# KiCad board MRIRobot_PCB.kicad_pcb (continued)
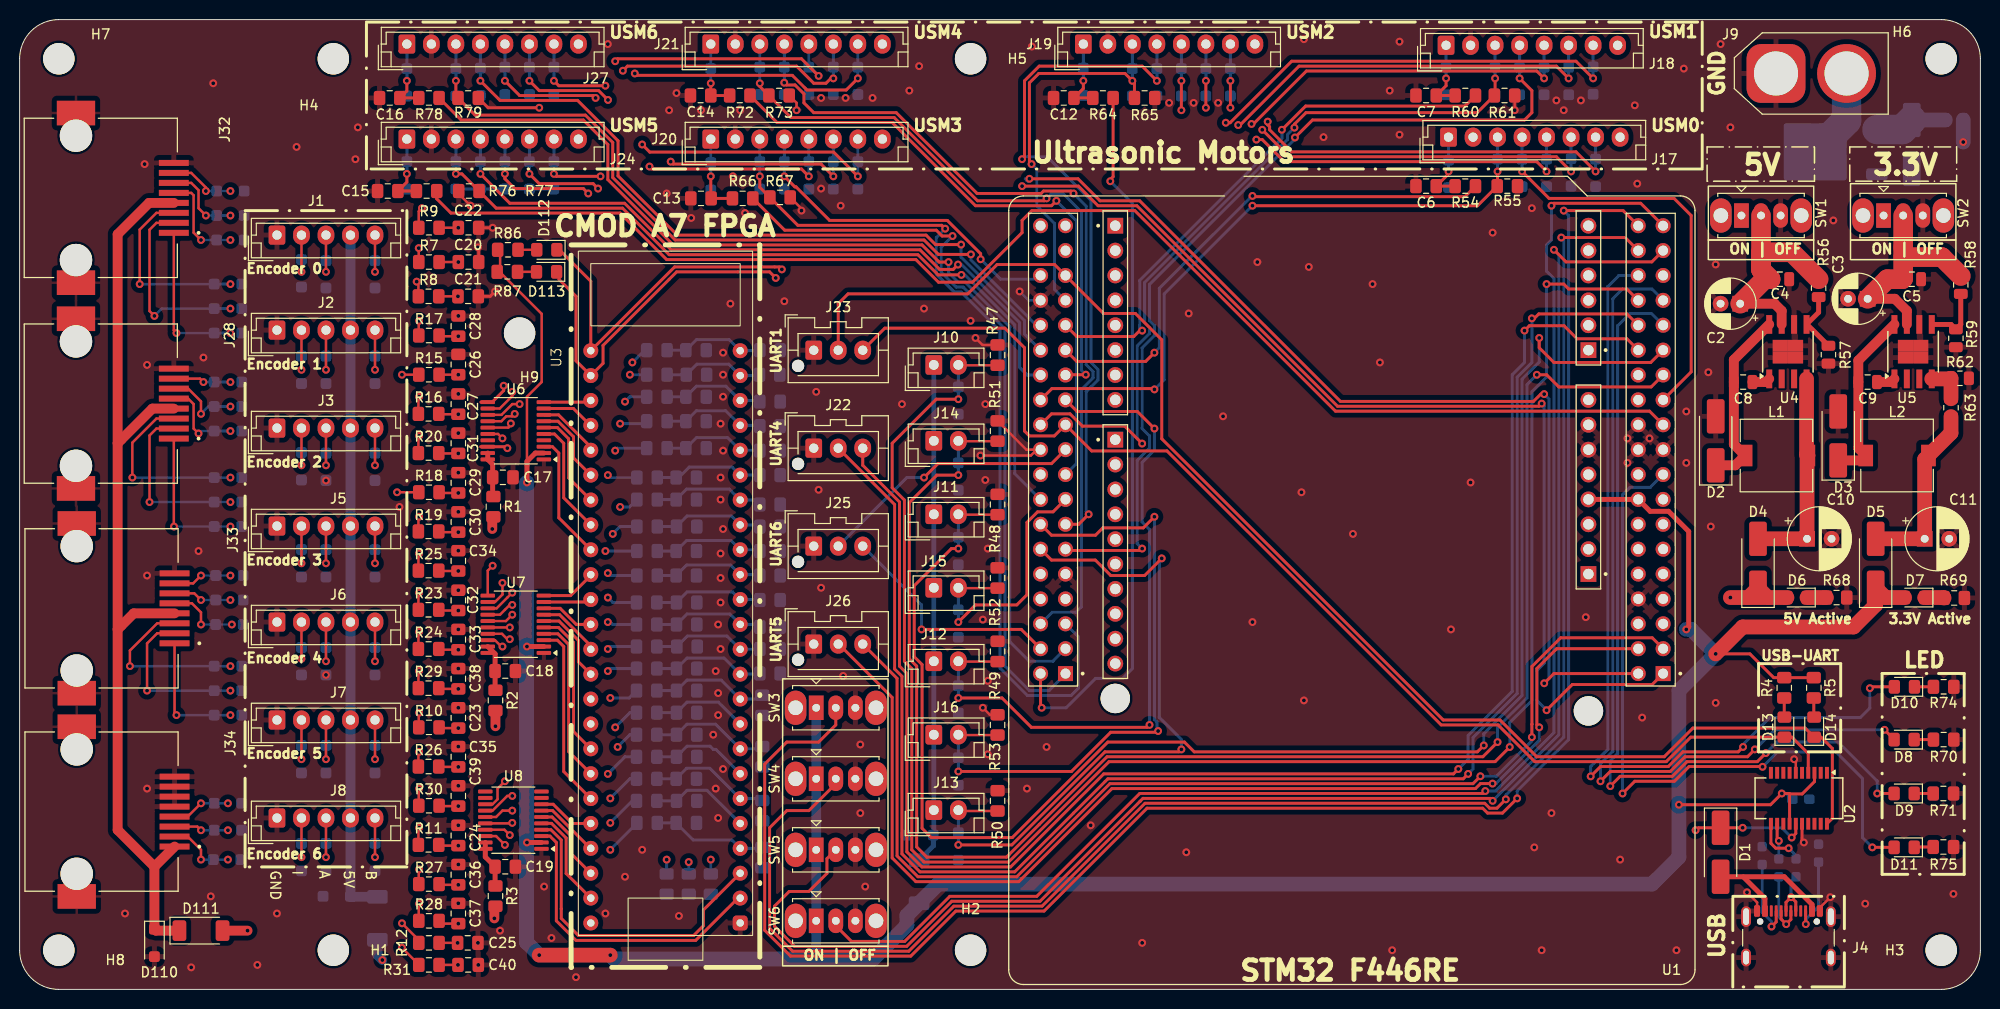
[diagram p0: board, top side]
## Routing (per net, layer and track width the routed paths; a pad name or vN(x,y) marks a point on that pad's centre or on a via; arc(x,y) is an arc through that point) (continued)
/A5_LP: length 15.3
  Top w0.25: v1(50.25,18.25) 49.25,18.25 48.6,17.6 U8.15 ; v1(44.75,10.68) 42.86,10.68 R27.2
  In1.Cu w0.25: v1(50.25,18.25) 49.5,18.25 47,15.75 47,12.93 v1(44.75,10.68)
/A5_shift: length 8.5
  Top w0.3: U3.22 56.25,13.87 56.25,15.66 54.31,17.6 U8.6
/A6: length 35.9
  Top w0.25: v1(31.25,13.5) J8.3 ; J34.3 18.13,16.62 v1(18.5,16.25) ; R28.1 40.71,8.71 v1(40.75,8.75)
  In1.Cu w0.25: v1(40.75,8.75) 35.14,8.75 31.25,12.64 v1(31.25,13.5)
  In1.Cu w0.3: v1(21.25,16.25) 23,14.5 30.25,14.5 v1(31.25,13.5)
  Bottom w0.25: v1(18.5,16.25) D107.1 v1(21.25,16.25) ; v1(31.25,13.5) D37.1
/A6_LP: length 16.9
  Top w0.25: v1(50,15.75) 49.45,16.3 U8.17 ; v1(44.75,6.71) 43.08,6.71 R28.2
  In1.Cu w0.25: v1(44.75,6.71) 44.75,6.75 45.47,7.47 45.47,9 47.5,11.02 47.5,14.75 48.5,15.75 v1(50,15.75)
/A6_shift: length 33
  Top w0.3: U8.4 54.2,16.3 55.25,15.25 55.25,8.22 55.25,8.22 55.25,7.25 57,5.5 68.75,5.5 69.75,6.5 69.75,8.11 U3.27
/B0: length 40.8
  Top w0.25: R7.1 v1(40.71,75.67) ; v1(36.25,73.25) J1.5 ; J32.6 17.51,82.33 18.25,81.58 18.25,79.75 v1(19,79)
  In1.Cu w0.25: v1(40.71,75.67) 40.29,75.25 38.25,75.25 v1(36.25,73.25)
  In1.Cu w0.3: v1(36.25,73.25) 35.5,74 30.75,74 29.16,72.41 24.34,72.41 20.75,76 20.75,78.25 v1(21.5,79)
  Bottom w0.25: v1(36.25,73.25) D17.1 ; 19.6,79 v1(19,79)
  Bottom w0.3: v1(21.5,79) D88.1
/B0_LP: length 21.2
  Top w0.25: v1(50.25,61) 50.25,60.58 48.97,59.3 U6.12 ; v1(44.75,74.25) R7.2
  In1.Cu w0.25: v1(50.25,61) 50.25,61.78 49.68,62.35 49.65,62.35 46.47,65.53 46.47,70.95 44.44,72.98 44.44,73.94 v1(44.75,74.25)
/B0_shift: length 5.5
  Top w0.3: U6.9 56.49,59.3 58.21,57.58 U3.4
/B1: length 42.8
  Top w0.25: v1(36.25,63.25) J2.5 ; J32.1 15.73,67.27 v1(16,67) ; v1(39,62.75) R15.1
  In1.Cu w0.25: v1(36.25,63.25) 38.5,63.25 v1(39,62.75)
  In1.Cu w0.3: v1(36.25,63.25) 35,62 26.5,62 v1(21.5,67)
  Bottom w0.25: v1(36.25,63.25) D25.1 ; 19.35,67 v1(16,67)
  Bottom w0.3: v1(21.5,67) D89.1
/B1_LP: length 12.1
  Top w0.25: v1(44.75,62.75) R15.2 ; v1(50.11,57.78) 50.11,57.61 49.85,57.35 U6.15
  In1.Cu w0.25: v1(50.11,57.78) 50.11,57.89 45.25,62.75 v1(44.75,62.75)
/B1_shift: length 10.2
  Top w0.3: U3.7 56,52.22 56,56.21 54.86,57.35 U6.6
/B2: length 37.3
  Top w0.25: v1(36.25,53.5) J3.5 ; v1(18.5,58.75) 18.5,60.02 17.19,61.33 J28.6 ; v1(38.5,50.75) R18.1
  In1.Cu w0.25: v1(38.5,50.75) 38.5,51.25 v1(36.25,53.5)
  In1.Cu w0.3: v1(36.25,53.5) 35.5,52.75 30.75,52.75 29.25,54.25 25.75,54.25 21.5,58.5 v1(21.5,59.5)
  Bottom w0.25: v1(18.5,58.75) 19.25,59.5 D94.1 ; v1(36.25,53.5) D28.1
  Bottom w0.3: v1(21.5,59.5) D94.1
/B2_LP: length 14.6
  Top w0.25: R18.2 42.86,50.67 v1(44.75,50.67) ; U7.11 47.75,42.75 v1(48.25,43.25)
  In1.Cu w0.25: v1(48.25,43.25) 48.25,45.25 47.25,46.25 47.25,49 45.58,50.67 v1(44.75,50.67)
/B2_shift: length 5.7
  Top w0.3: U3.10 58.26,42.26 56.2,40.2 U7.10
/B3: length 44.8
  Top w0.25: J28.1 15.73,47.27 v1(15.75,47.25) ; v1(36.25,43.5) J5.5 ; R23.1 40.67,40.42 v1(40.75,40.5)
  In1.Cu w0.25: v1(40.75,40.5) 37.75,43.5 v1(36.25,43.5)
  In1.Cu w0.3: v1(36.25,43.5) 35,42.25 26.5,42.25 v1(21.5,47.25)
  Bottom w0.25: v1(21.5,47.25) D95.1 v1(15.75,47.25) ; v1(36.25,43.5) D19.1
/B3_LP: length 10.7
  Top w0.25: R23.2 42.83,38.68 v1(44.75,38.68) ; v1(50.25,39.25) 50,39.25 49,38.25 U7.14
  In1.Cu w0.25: v1(50.25,39.25) 47.5,39.25 46.92,38.68 v1(44.75,38.68)
/B3_shift: length 6.5
  Top w0.3: U7.7 55.08,38.25 58.26,35.07 U3.13
/B4: length 42.2
  Top w0.25: R10.1 40.71,28.21 v1(40.75,28.25) ; v1(36.25,33.5) J6.5 ; J33.6 17.82,40.43 v1(18.5,39.75)
  In1.Cu w0.25: v1(36.25,33.5) 36.86,33.5 40.75,29.61 v1(40.75,28.25)
  In1.Cu w0.3: v1(36.25,33.5) 34.1,31.35 26.15,31.35 20.9,36.6 20.9,39.15 v1(21.5,39.75)
  Bottom w0.25: v1(21.5,39.75) D100.1 v1(18.5,39.75) ; v1(36.25,33.5) D31.1
/B4_LP: length 16.9
  Top w0.25: v1(50,35.75) 49.75,35.75 49.2,36.3 U7.17 ; R10.2 42.86,26.68 v1(44.75,26.68)
  In1.Cu w0.25: v1(50,35.75) 48,35.75 47.25,35 47.25,32.5 45.47,30.72 45.47,27.4 v1(44.75,26.68)
/B4_shift: length 17.1
  Top w0.3: U7.4 54.91,36.3 56,35.21 56,24.28 U3.18
/B5: length 46.6
  Top w0.25: v1(16,28) 15.8,28.19 J33.1 ; R11.1 40.67,16.43 v1(40.75,16.5) ; v1(36.25,23.5) J7.5
  In1.Cu w0.25: v1(40.75,16.5) 40.75,19 v1(36.25,23.5)
  In1.Cu w0.3: v1(21.5,28) 27.25,22.25 35,22.25 v1(36.25,23.5)
  Bottom w0.25: v1(21.5,28) D101.1 v1(16,28) ; v1(36.25,23.5) D34.1
/B5_LP: length 13
  Top w0.25: U8.14 48.24,18.25 49.74,19.75 v1(50.25,19.75) ; v1(44.75,14.68) 42.83,14.68 R11.2
  In1.Cu w0.25: v1(44.75,14.68) 49.83,19.75 v1(50.25,19.75)
/B5_shift: length 6.6
  Top w0.3: U8.7 54.37,18.25 58.22,14.4 U3.21
/B6: length 39.4
  Top w0.25: R12.1 40.71,5.04 v1(39,6.75) ; v1(18.5,19) 17.14,17.64 J34.4 ; v1(36.25,13.5) J8.5
  In1.Cu w0.3: v1(36.25,13.5) 36.25,13.75 34.5,15.5 24.75,15.5 v1(21.25,19)
  In2.Cu w0.25: v1(39,6.75) 39,7 36.25,9.75 v1(36.25,13.5)
  Bottom w0.25: v1(36.25,13.5) D22.1 ; v1(21.25,19) D106.1 v1(18.5,19)
/B6_LP: length 16.3
  Top w0.25: v1(49.5,14.75) 48.6,15.65 U8.18 ; v1(44.67,4.75) R12.2
  In1.Cu w0.25: v1(49.5,14.75) 49.5,12.39 45.92,8.81 45.92,5.93 44.75,4.75 v1(44.67,4.75)
/B6_shift: length 31.2
  Top w0.3: U8.3 54.1,15.65 54.75,15 54.75,7 56.75,5 68.96,5 73.28,9.32 U3.26
/Home0: length 183.7
  Top w0.25: R47.1 95.79,63.71 J10.2
  Top w0.3: v1(151.99,24.74) 150.5,23.25 111.12,23.25 100.87,13 92.25,13 91,14.25 91,32.75 90.25,33.5 90.25,49.96 89,51.21 89,55.75 93.5,60.25 v1(95.75,60.25) ; U1.CN7_32 163.94,71.5 158,71.5 157.5,72 v1(155.75,72) ; 100.21,63.75 100.25,63.71
  Bottom w0.3: v1(155.75,72) 155.75,62.5 154.25,61 154.25,29.5 151.99,27.24 v1(151.99,24.74) ; J10.2 D78.1 v1(95.75,60.25)
/Home1: length 166.8
  Top w0.25: R51.1 95.79,55.96 J14.2
  Top w0.3: v1(95.75,52.5) 93.56,52.5 90.75,49.69 90.75,33.75 91.5,33 91.5,14.54 92.54,13.5 100.66,13.5 110.91,23.75 149.25,23.75 v1(150.75,25.25) ; U1.CN7_25 166.42,61.5 157,61.5 155.76,62.74 v1(154.76,62.74) ; 100.21,56 100.25,55.96
  Bottom w0.3: v1(150.75,25.25) 150.75,26.75 153.75,29.75 153.75,61.73 v1(154.76,62.74) ; v1(95.75,52.5) D80.1 J14.2
/Home2: length 159.8
  Top w0.25: R48.1 95.79,48.46 J11.2
  Top w0.3: v1(95.75,45) 95.04,45 91.25,41.21 91.25,33.96 92.05,33.16 92.05,16.45 93,15.5 101.25,15.5 111,25.25 118.81,25.25 119.81,24.25 148.69,24.25 v1(149.34,24.91) ; v1(155,66.5) 155,65.5 156.5,64 166.38,64 U1.CN7_27
  Bottom w0.3: v1(149.34,24.91) 149.34,26.09 153.25,30 153.25,62.29 155,64.04 v1(155,66.5) ; v1(95.75,45) D82.1 J11.2
/Home3: length 28
  Top w0.25: J15.2 95.79,40.96 R52.1
  Top w0.3: v1(95.75,37.5) 97.5,39.25 101.71,39.25 102.75,40.29 102.75,47.67 103.83,48.75 105.41,48.75 U1.CN10_15 ; 100.21,41 100.25,40.96
  Bottom w0.3: v1(95.75,37.5) D79.1 J15.2
/Home4: length 70
  Top w0.25: J12.2 95.79,33.46 R49.1
  Top w0.3: U1.CN10_23 107.86,59 114,59 v1(115.75,57.25) ; v1(115.25,27) 115,26.75 103.21,26.75 100.21,29.75 v1(95.75,29.75)
  Bottom w0.3: v1(115.75,57.25) 115.75,55.04 114.5,53.79 114.5,47.71 115.25,46.96 v1(115.25,27) ; J12.2 D81.1 v1(95.75,29.75)
/Home5: length 64.7
  Top w0.25: J16.2 95.79,25.96 R53.1
  Top w0.3: v1(95.75,22.25) 107.29,22.25 111.29,26.25 116,26.25 v1(116.12,26.38) ; v1(115.75,48.25) 114.61,47.11 110.49,47.11 109.74,46.36 105.25,46.36 U1.CN10_14
  Bottom w0.3: v1(95.75,22.25) D83.1 J16.2 ; v1(115.75,48.25) 115.75,27.56 116,27.31 116,26.5 v1(116.12,26.38)
/Home6: length 69.2
  Top w0.25: J13.2 95.84,18.21 R50.1
  Top w0.3: 100.16,18.3 100.25,18.21 ; U1.CN10_12 105.25,43.83 109.73,43.83 111.3,42.25 114.75,42.25 v1(116.5,44) ; v1(95.75,14.75) 101.21,14.75 110.71,24.25 118.25,24.25 v1(118.5,24.5)
  Bottom w0.3: v1(95.75,14.75) D85.1 J13.2 ; v1(118.5,24.5) 118.5,25.52 116.25,27.77 116.25,43.75 v1(116.5,44)
/I0: length 40.5
  Top w0.25: v1(18.5,76.5) 17.75,77.25 17.75,81.06 17.51,81.31 J32.5 ; v1(28.75,73.25) J1.2 ; R9.1 40.71,79.42 v1(41.04,79.75)
  In1.Cu w0.25: v1(21.5,76.5) 21.5,75.92 24.17,73.25 v1(28.75,73.25) 30.25,74.75 36.04,74.75 v1(41.04,79.75)
  Bottom w0.25: v1(21.5,76.5) D92.1 ; 19.6,76.5 v1(18.5,76.5) ; v1(28.75,73.25) D24.1
/I0_LP: length 24
  Top w0.25: R9.2 v1(44.75,77.75) 44.79,77.75
  Top w0.3: v1(49.38,61.62) 49.38,61.12 48.2,59.95 U6.11 47.05,59.95
  In1.Cu w0.3: v1(49.38,61.62) 46,65 46,70.75 43.96,72.79 43.96,76.96 v1(44.75,77.75)
/I0_shift: length 4.9
  Top w0.3: U6.10 58.09,59.95 U3.3
/I1: length 53.8
  Top w0.25: v1(40.75,68.25) 40.71,68.21 R17.1 ; v1(12.25,72) 12.25,77.56 13.95,79.27 J32.3 ; v1(28.75,63.25) J2.2
  In1.Cu w0.25: v1(28.75,63.25) 30.5,65 39.75,65 40.75,66 v1(40.75,68.25)
  In1.Cu w0.3: v1(28.75,63.25) 26.66,63.25 22.75,67.16 22.75,70.75 v1(21.5,72)
  Bottom w0.25: 19.35,72 v1(12.25,72) ; v1(28.75,63.25) D27.1
  Bottom w0.3: v1(21.5,72) D93.1
/I1_LP: length 15.5
  Top w0.25: R17.2 42.86,66.67 v1(44.75,66.67) ; U6.14 49.14,58 49.64,58.5 50.25,58.5 v1(50.5,58.75)
  In1.Cu w0.25: v1(44.75,66.67) 44.75,64.25 50.25,58.75 v1(50.5,58.75)
/I1_shift: length 8.3
  Top w0.3: U3.6 56.5,54.26 56.5,56.41 54.91,58 U6.7
/I2: length 37.6
  Top w0.25: v1(40.75,56.5) 40.67,56.42 R20.1 ; v1(28.75,53.5) J3.2 ; v1(18.25,56.75) 17.75,57.25 17.75,59.75 17.19,60.31 J28.5
  In1.Cu w0.3: v1(28.75,53.5) 25,53.5 v1(21.5,57)
  In2.Cu w0.25: v1(40.75,56.5) 38.75,54.5 29.75,54.5 v1(28.75,53.5)
  Bottom w0.25: v1(18.25,56.75) 18.5,57 D98.1 ; v1(28.75,53.5) D30.1
  Bottom w0.3: v1(21.5,57) D98.1
/I2_LP: length 10
  Top w0.25: v1(44.75,54.71) 42.79,54.71 R20.2
  Top w0.3: v1(49.75,55.25) 49.6,55.4 U6.18 47.02,55.4
  In1.Cu w0.25: v1(44.75,54.71) 49.21,54.71 v1(49.75,55.25)
/I2_shift: length 13
  Top w0.3: U3.9 55,48.14 55,54.75 54.35,55.4 U6.3
/I3: length 52.1
  Top w0.25: v1(11.5,52.25) 11.5,55.81 13.95,58.27 J28.3 ; R25.1 40.67,44.42 v1(40.75,44.5) ; v1(28.75,43.5) J5.2
  In1.Cu w0.25: v1(28.75,43.5) 31,45.75 39.5,45.75 v1(40.75,44.5)
  In1.Cu w0.3: v1(28.75,43.5) 28.75,44.5 27.5,45.75 25.62,45.75 25.05,46.32 25.05,48.7 v1(21.5,52.25)
  Bottom w0.25: v1(28.75,43.5) D21.1 ; v1(21.5,52.25) D99.1 v1(11.5,52.25)
/I3_LP: length 11.6
  Top w0.25: v1(44.75,42.71) 42.79,42.71 R25.2 ; U7.13 48.65,38.9 v1(50.25,40.5)
  In1.Cu w0.25: v1(44.75,42.71) 46.54,42.71 48.75,40.5 v1(50.25,40.5)
/I3_shift: length 5.5
  Top w0.3: U3.12 56.78,37.26 55.14,38.9 U7.8
/I4: length 35.6
  Top w0.25: J33.5 17.58,39.41 18.5,38.49 v1(18.5,37.25) ; v1(40.75,32.5) 40.67,32.43 R29.1 ; v1(28.75,33.75) J6.2
  In1.Cu w0.25: v1(21.65,37.25) 23.65,37.25 27.15,33.75 v1(28.75,33.75)
  In2.Cu w0.25: v1(40.75,32.5) 39.03,34.22 29.23,34.22 v1(28.75,33.75)
  Bottom w0.25: v1(21.65,37.25) D104.1 v1(18.5,37.25) ; v1(28.75,33.75) D33.1
/I4_LP: length 14
  Top w0.25: U7.16 v1(50,36.95) ; v1(44.75,30.68) 42.83,30.68 R29.2
  In1.Cu w0.25: v1(50,36.95) 49.95,37 48,37 46.7,35.7 46.7,32.62 v1(44.75,30.68)
/I4_shift: length 15.2
  Top w0.3: U7.5 54.96,36.95 56.5,35.41 56.5,26.32 U3.17
/I5: length 51.1
  Top w0.25: v1(11.25,33) 11.25,34.59 14.03,37.37 J33.3 ; v1(40.75,20.5) 40.71,20.46 R30.1 ; v1(28.75,23.5) J7.2
  In1.Cu w0.3: v1(21.5,33) 25.05,29.45 25.05,26.52 25.57,26 26.75,26 28.75,24 v1(28.75,23.5)
  In2.Cu w0.25: v1(40.75,20.5) 40.25,20.5 38.25,22.5 29.75,22.5 v1(28.75,23.5)
  Bottom w0.25: v1(28.75,23.5) D36.1 ; v1(21.5,33) D105.1 v1(11.25,33)
/I5_LP: length 11.4
  Top w0.25: v1(49.5,21.25) 48.75,20.5 48.75,19.41 48.24,18.9 U8.13 ; v1(44.75,18.71) 42.83,18.71 R30.2
  In1.Cu w0.25: v1(49.5,21.25) 46.96,18.71 v1(44.75,18.71)
/I5_shift: length 5.8
  Top w0.3: U3.20 56.38,16.94 54.42,18.9 U8.8
/I6: length 37.1
  Top w0.25: v1(39,4.25) 40.71,2.54 R31.1 ; J34.2 17.15,15.6 18.5,14.25 v1(18.5,13.25) ; v1(28.75,13.5) J8.2
  In1.Cu w0.25: v1(39,4.25) 39,5.25 36,8.25 35,8.25 29.75,13.5 v1(28.75,13.5)
  In1.Cu w0.3: v1(21.25,13.25) 28.5,13.25 v1(28.75,13.5)
  Bottom w0.25: v1(21.25,13.25) D108.1 v1(18.5,13.25) ; v1(28.75,13.5) D38.1
/I6_LP: length 21.9
  Top w0.25: v1(50.25,17) 50.2,16.95 U8.16 ; v1(44.71,2.5) R31.2
  In1.Cu w0.25: v1(50.25,17) 50.72,16.53 50.72,12.97 46.38,8.62 46.38,5.4 45.46,4.49 45.46,3.25 v1(44.71,2.5)
/I6_shift: length 10.3
  Top w0.3: U3.23 55.75,11.83 55.75,15.46 54.25,16.95 U8.5
/LED0: length 88.4
  Top w0.3: D8.2 191.2,25.53 v1(190.22,26.5) ; v1(176.99,24.5) 176.24,23.75 169.87,23.75 168.37,22.25 162.25,22.25 v1(161.25,21.25)
  Bottom w0.3: U1.CN7_31 166.48,71.5 163.5,71.5 162.5,70.5 162.5,24.29 161.25,23.04 v1(161.25,21.25) ; v1(176.99,24.5) 177,24.5 179,26.5 v1(190.22,26.5)
/LED1: length 86.7
  Top w0.3: v1(162.25,20.75) 163.25,21.75 168.58,21.75 170.08,23.25 177.24,23.25 v1(178.12,24.12) ; D9.2 v1(189.47,20)
  Bottom w0.3: v1(178.12,24.12) 179.24,25.25 185.5,25.25 189.47,21.28 v1(189.47,20) ; v1(162.25,20.75) 162.25,23.34 163,24.09 163,67.75 164.25,69 166.44,69 U1.CN7_29
/LED2: length 90.8
  Top w0.3: v1(188.72,30.75) 188.86,30.89 D10.2 191.22,31.25 ; v1(175.79,24.75) 175.29,24.25 169.66,24.25 168.16,22.75 161.25,22.75 v1(160.25,21.75)
  Bottom w0.3: v1(160.25,21.75) 160.25,22.75 162,24.5 162,71.75 163.13,72.88 U1.CN7_34 ; v1(188.72,30.75) 188.72,28.72 187.75,27.75 178.52,27.75 175.79,25.02 v1(175.79,24.75)
/LED3: length 72.5
  Top w0.3: v1(163.5,20) 164.75,21.25 168.79,21.25 170.29,22.75 177.75,22.75 v1(177.78,22.72) ; D11.2 v1(188.97,14.5)
  Bottom w0.3: v1(177.78,22.72) 179.3,24.25 185.25,24.25 187.97,21.53 187.97,15.5 v1(188.97,14.5) ; U1.CN7_17 166.33,51.25 164.25,51.25 163.5,50.5 v1(163.5,20)
/SW0: length 183.2
  Top w0.3: U1.CN7_38 163.56,79.5 v1(157.5,79.5) ; SW3.2 83.25,27 81.5,25.25 78.25,25.25 76,23 76,6.04 78.64,3.4 90.9,3.4 95.5,8 104.5,8 115,18.5 149.23,18.5 149.73,18 151.25,18 v1(152.75,19.5)
  Bottom w0.3: v1(157.5,79.5) 158,79 158,25.5 152.75,20.25 v1(152.75,19.5)
/SW1: length 170.6
  Top w0.3: v1(157.25,76.75) 163.77,76.75 U1.CN7_36 ; SW4.2 83.25,21 80.5,18.25 78.25,18.25 76.5,16.5 76.5,6.24 78.84,3.9 90.69,3.9 95.29,8.5 104.29,8.5 114.79,19 149.44,19 149.94,18.5 150.69,18.5 v1(151.59,19.41)
  Bottom w0.3: v1(157.25,76.75) 157.5,76.5 157.5,25.75 151.59,19.84 v1(151.59,19.41)
/SW2: length 163.4
  Top w0.3: SW5.2 82.35,13.35 82.35,11.85 80.5,10 78.5,10 77,8.5 77,6.45 79.05,4.4 90.49,4.4 95.09,9 104.09,9 114.59,19.5 150,19.5 v1(150.25,19.25) ; U1.CN7_35 166.49,74.27 157.73,74.27 v1(156.5,75.5)
  Bottom w0.3: v1(156.5,75.5) 157,75 157,26 v1(150.25,19.25)
/SW3: length 150.7
  Top w0.3: v1(156.25,80) 156.5,80.25 165.35,80.25 U1.CN7_37 ; v1(149.5,20.25) 149.25,20 114.25,20 103.75,9.5 94.88,9.5 90.28,4.9 84.85,4.9 83.25,6.5 SW6.2 83.25,6.3
  Bottom w0.3: v1(156.25,80) 156.25,76.5 155.75,76 155.75,73.31 156.5,72.56 156.5,26.21 150.54,20.25 v1(149.5,20.25)
/U_Ana0: length 7.4
  Top w0.3: R54.2 C6.1 145.75,83.25 v1(145.75,83.5)
  Bottom w0.3: J17.1 D15.1 v1(145.75,83.5)
/U_Ana1: length 7.5
  Top w0.3: v1(145.5,93) 145.5,92.25 C7.1 R60.2
  Bottom w0.3: J18.1 D42.1 v1(145.5,93)
/U_Ana2: length 7.8
  Top w0.3: R64.2 C12.1 108.5,91.96 v1(108.5,92.75)
  Bottom w0.3: J19.1 D48.1 v1(108.5,92.75)
/U_Ana3: length 8.2
  Top w0.3: v1(70.5,83) 70.5,80.79 C13.1 R66.2
  Bottom w0.3: v1(70.5,83) D54.1 J20.1
/U_Ana4: length 7.2
  Top w0.3: v1(70.5,92.5) C14.1 72.42,91.25
  Bottom w0.3: v1(70.5,92.5) D60.1 J21.1
/U_Ana5: length 7.6
  Top w0.3: R76.2 C15.1 39.5,82.42 v1(39.5,83.25)
  Bottom w0.3: v1(39.5,83.25) D66.1 J24.1
/U_Ana6: length 8.7
  Top w0.3: 38.79,95.79 J27.1 ; v1(39.5,92.75) 39.5,91.71 C16.1 R78.2
  Bottom w0.3: v1(39.5,92.75) D72.1 J27.1
/U_Dir0: length 42.6
  Top w0.3: U1.CN7_23 170.5,63.04 170.5,79 168.75,80.75 156,80.75 v1(153.25,83.5)
  Bottom w0.3: v1(153.25,83.5) D18.1 J17.4
/U_Dir1: length 90.4
  Top w0.3: v1(130.09,86.96) 131.87,88.75 153.5,88.75 154.25,89.5 154.25,91.75 v1(153,93) ; v1(114.5,45) 114.31,44.81 106.81,44.81 U1.CN10_11
  Bottom w0.3: v1(114.5,45) 114,45.5 114,54 115.25,55.25 115.25,56.5 114.5,57.25 114.5,65.48 115.75,66.73 115.75,67.77 115.25,68.27 115.25,71.96 130.09,86.8 v1(130.09,86.96) ; J18.4 D46.1 v1(153,93)
/U_Dir2: length 71.3
  Top w0.3: U1.CN10_13 108.03,47.48 v1(109.04,48.5) ; v1(102.25,84.75) 102.5,85 102.5,92.75 104,94.25 114.5,94.25 v1(116,92.75)
  Bottom w0.3: v1(102.25,84.75) 102.5,85 104.81,85 109.29,80.52 109.29,63.97 110,63.27 110,62.23 108.79,61.03 108.79,48.75 v1(109.04,48.5) ; v1(116,92.75) D52.1 J19.4
/U_Dir3: length 34.8
  Top w0.3: v1(98.03,74.54) 98.03,75.1 94.62,78.5 82.62,78.5 79.19,81.92 79.08,81.92 v1(78,83)
  Bottom w0.3: J20.4 D58.1 v1(78,83) ; U1.CN10_34 103.76,72.5 100.06,72.5 v1(98.03,74.54)
/U_Dir4: length 87.3
  Top w0.3: v1(77.99,92.56) 78.23,92.33 79.09,92.33 80,91.42 80,90.5 81,89.5 89.41,89.5 97.66,81.25 104.19,81.25 104.44,81.5 107.25,81.5 v1(107.5,81.25)
  Bottom w0.3: U1.CN10_6 105.32,38.5 107.75,38.5 108.29,39.05 108.29,61.23 109.5,62.44 109.5,63.06 108.79,63.77 108.79,79.95 v1(107.5,81.25) ; J21.4 D64.1 78,92.56 v1(77.99,92.56)
/U_Dir5: length 72.3
  Top w0.3: v1(47,83.25) 50,80.25 61.71,80.25 66.46,75.5 91.84,75.5 93.84,73.5 95.22,73.5 v1(95.72,73.99)
  Bottom w0.3: v1(95.72,73.99) 96.07,73.99 102,68.06 102,63.5 102.78,62.72 U1.CN10_26 ; J24.4 D70.1 v1(47,83.25)
/U_Dir6: length 75.9
  Top w0.3: v1(47,92.75) 49,90.75 56.91,90.75 61.04,86.63 61.04,83.04 67.08,77 92.46,77 93.42,76.03 v1(96.03,76.03)
  Bottom w0.3: v1(96.03,76.03) 96.03,74.74 102.5,68.27 102.5,66.9 U1.CN10_28 ; v1(47,92.75) D76.1 J27.4
/U_En0: length 65.8
  Top w0.3: v1(125.75,80) 148.71,80 R55.1 150.75,82.04 v1(150.75,83.5) ; v1(115.75,61.25) 115.67,61.33 105.29,61.33 U1.CN10_24
  Bottom w0.3: v1(125.75,80) 116.75,71 116.75,62.25 v1(115.75,61.25) ; J17.3 D16.1 v1(150.75,83.5)
/U_En1: length 78.7
  Top w0.3: v1(114.5,55.72) 112.72,57.5 108.4,57.5 107.14,58.75 105.25,58.75 U1.CN10_22 ; v1(130.03,87.97) 130.03,88.32 131.21,89.5 148.68,89.5 R61.1 150.5,91.33 v1(150.5,93)
  Bottom w0.3: v1(130.03,87.97) 129.33,87.27 129.33,86.75 114.75,72.17 114.75,68.06 115.25,67.56 115.25,66.94 114,65.69 114,56.22 v1(114.5,55.72) ; v1(150.5,93) D44.1 J18.3
/U_En2: length 40.5
  Top w0.3: v1(103.22,84.25) 103,84.47 103,92.54 103.96,93.5 112.75,93.5 v1(113.5,92.75) 113.71,92.54 R65.1
  Bottom w0.3: J19.3 D50.1 v1(113.5,92.75) ; v1(103.22,84.25) 103.75,83.72 103.75,80 105.56,78.19 105.56,71.45 U1.CN10_31
/U_En3: length 90.5
  Top w0.3: v1(75.5,83) 75.5,81.88 R67.1 79.38,78 94.06,78 v1(94.41,77.66)
  Bottom w0.3: v1(94.41,77.66) 93.5,76.75 93.5,73.03 95.34,71.19 96.04,71.19 100,67.23 100,32.79 102.79,30 107.25,30 108,30.75 108,36 U1.CN10_5 ; J20.3 D56.1 v1(75.5,83)
/U_En4: length 62
  Top w0.3: v1(75.5,92.5) 75.5,92.17 78.67,89 89.21,89 97.71,80.5 104.5,80.5 v1(104.75,80.75) ; v1(108.75,62.75) 106.71,62.75 U1.CN10_25
  Bottom w0.3: v1(104.75,80.75) 105.25,81.25 106.44,81.25 108.29,79.39 108.29,63.2 v1(108.75,62.75) ; J21.3 D62.1 v1(75.5,92.5)
/U_En5: length 85.9
  Top w0.3: v1(96.06,72.94) 93.69,72.94 91.63,75 66.25,75 61.5,79.75 48.61,79.75 R77.1 45.11,83.25 v1(44.5,83.25)
  Bottom w0.3: J24.3 D68.1 v1(44.5,83.25) ; v1(96.06,72.94) 96.41,72.94 101.5,67.85 101.5,52.66 U1.CN10_16
/U_En6: length 77.1
  Top w0.3: v1(44.5,92.75) 44.5,91.21 R79.1 46.46,89.25 57.71,89.25 60.5,86.46 60.5,82.87 66.87,76.5 92.25,76.5 93.72,75.03 v1(97.03,75.03)
  Bottom w0.3: v1(97.03,75.03) 97.03,74.47 103.7,67.8 U1.CN10_30 ; v1(44.5,92.75) D74.1 J27.3
/U_EncA0: length 158.1
  Top w0.3: v1(126.15,86.75) 126.75,86.75 129,84.5 154.75,84.5 v1(155.75,83.5)
  In1.Cu w0.3: v1(60.25,19.5) 62.5,21.75 62.5,28.29 69.39,35.19 69.39,70.4 74.24,75.25 87.24,75.25 92.25,80.26 92.25,83.63 95.12,86.5 124.52,86.5 124.77,86.75 v1(126.15,86.75)
  Bottom w0.3: v1(155.75,83.5) D39.1 J17.5 ; v1(60.25,19.5) 62.25,21.5 62.92,21.5
/U_EncA0_LP: length 12.6
  Bottom w0.3: R33.2 C42.1 68.04,22.57 70.41,22.57 U3.30 75.56,19.48 R112.1
/U_EncA1: length 151.9
  Top w0.3: v1(155.5,93) 154.75,93.75 131.25,93.75 125.84,88.34 v1(125.66,88.34)
  In1.Cu w0.3: v1(125.66,88.34) 124.31,87 94.91,87 91.75,83.84 91.75,80.46 87.04,75.75 74.04,75.75 68.89,70.61 68.89,35.39 60.75,27.25 v1(60.75,26.75)
  Bottom w0.3: v1(155.5,93) D43.1 J18.5 ; v1(60.75,26.75) 62.25,28.25 62.92,28.25
/U_EncA1_LP: length 28.3
  In1.Cu w0.3: U3.33 70.25,23.85 70.25,17.5 v1(66,13.25)
  Bottom w0.3: U3.33 71.28,29.32 68.08,29.32 C45.1 R36.2 ; R115.1 v1(66,13.25)
/U_EncA2: length 111
  Top w0.3: v1(118.5,92.75) v1(118.5,89.75)
  In1.Cu w0.3: v1(118.5,89.75) 118.25,89.5 93.79,89.5 89.25,84.96 89.25,81.5 86,78.25 73,78.25 66.25,71.5 66.25,41.75 60,35.5 v1(60,34.75)
  Bottom w0.3: v1(118.5,92.75) D49.1 J19.5 ; 62.92,35 60.25,35 v1(60,34.75)
/U_EncA2_LP: length 11.5
  Bottom w0.3: R39.2 C48.1 68.11,36.07 72.14,36.07 U3.36 75.47,34.72 R118.1
/U_EncA3: length 70.6
  Top w0.3: v1(64.25,84) 64.5,83.75 79.75,83.75 v1(80.5,83)
  In1.Cu w0.3: v1(64.25,84) 63.75,83.5 63.75,69.96 65.25,68.46 65.25,49.25 62.25,46.25 62.25,42.25 v1(60,40)
  Bottom w0.3: J20.5 D55.1 v1(80.5,83) ; v1(60,40) 60.5,39.5 62.92,39.5
/U_EncA3_LP: length 11.3
  Bottom w0.3: R121.1 75.45,39.8 U3.38 72.72,40.58 68.08,40.58 C51.1 R42.2
/U_EncA4: length 81
  Top w0.3: v1(81.5,93.25) 79.75,95 61,95 v1(60.75,94.75)
  In1.Cu w0.3: v1(60.75,94.75) 60.75,91.96 61.75,90.96 61.75,80.61 61.72,80.59 61.72,69 63.25,67.47 63.25,54.5 59.75,51 v1(59.75,44.75)
  Bottom w0.3: v1(59.75,44.75) R45.1 ; v1(81.5,93.25) 80.6,94.15 D61.1 J21.5
/U_EncA4_LP: length 11.4
  Bottom w0.3: R45.2 C54.1 68.04,45.83 72.56,45.83 U3.40 75.37,44.88 R124.1
/U_EncA5: length 45.8
  Top w0.3: v1(58,81.25) 57.5,81.75 50.5,81.75 49.5,82.75 v1(49.5,83.25)
  In1.Cu w0.25: v1(58,81.25) 58.75,80.5 58.75,67.77 59.5,67.02 59.5,54.25 60,53.75 v1(60,52.5)
  Bottom w0.25: v1(60,52.5) 60.25,52.25 R81.1
  Bottom w0.3: J24.5 D67.1 v1(49.5,83.25)
/U_EncA5_LP: length 11.2
  Bottom w0.3: R81.2 67.23,52.25 68.31,53.33 72.67,53.33 U3.43 R127.1
/U_EncA6: length 48.7
  Top w0.3: v1(49.5,92.75) 51,91.25 58.5,91.25 v1(58.75,91) ; v1(61.75,60) 62,60
  In1.Cu w0.3: v1(58.75,91) 60.25,89.5 60.25,81.23 60.22,81.21 60.22,68.38 61,67.6 61,60.75 v1(61.75,60)
  Bottom w0.3: v1(49.5,92.75) D73.1 J27.5 ; v1(61.75,60) 62.25,60.5 R84.1
/U_EncA6_LP: length 10.6
  Bottom w0.3: R84.2 C60.1 69.04,61.58 72.05,61.58 U3.46 75.38,60.12 R130.1
/U_EncB0: length 164.7
  Top w0.3: v1(126.75,87.75) 129.5,85 156.75,85 v1(158.25,83.5)
  In1.Cu w0.3: v1(60.25,17) 63,19.75 63,28.09 69.89,34.98 69.89,70.19 74.45,74.75 87.5,74.75 92.75,80 92.75,83.42 95.33,86 126.46,86 126.9,86.44 126.9,87.6 v1(126.75,87.75)
  Bottom w0.3: J17.6 D40.1 v1(158.25,83.5) ; v1(60.25,17) 62.5,19.25 62.92,19.25
/U_EncB0_LP: length 16.7
  In1.Cu w0.3: v1(70.5,13.25) 70.5,13.94 U3.29
  Bottom w0.3: U3.29 70.11,20.32 68.08,20.32 C41.1 R32.2 ; R111.1 v1(70.5,13.25)
/U_EncB1: length 157.6
  Top w0.3: v1(158,93) 156.75,94.25 130.5,94.25 124.49,88.24 v1(124.3,88.24)
  In1.Cu w0.3: v1(124.3,88.24) 123.56,87.5 94.71,87.5 91.25,84.04 91.25,80.67 86.83,76.25 73.83,76.25 68.25,70.67 68.25,35.54 60,27.29 60,25.75 v1(61,24.75)
  Bottom w0.3: v1(61,24.75) 62.25,26 62.92,26 ; v1(158,93) D45.1 J18.6
/U_EncB1_LP: length 12.3
  Bottom w0.3: R114.1 75.52,24.56 U3.32 70.98,27.07 68.08,27.07 C44.1 R35.2
/U_EncB2: length 115.1
  Top w0.3: v1(121,92.75) v1(121,90)
  In1.Cu w0.3: v1(60,32.5) 60.75,33.25 60.75,35.5 66.75,41.5 66.75,71.29 73.21,77.75 86.21,77.75 89.75,81.29 89.75,84.75 94,89 120,89 v1(121,90)
  Bottom w0.3: v1(121,92.75) D51.1 J19.6 ; 62.92,32.75 60.25,32.75 v1(60,32.5)
/U_EncB2_LP: length 11.7
  Bottom w0.3: R38.2 C47.1 68.08,33.82 71.86,33.82 U3.35 75.43,32.18 R117.1
/U_EncB3: length 74.9
  Top w0.3: v1(83,83) 81.75,84.25 66.66,84.25 v1(66.41,84.5)
  In1.Cu w0.3: v1(60,37.5) 63.5,41 63.5,46.79 65.75,49.04 65.75,68.66 64.25,70.16 64.25,82.34 v1(66.41,84.5)
  Bottom w0.3: J20.6 D57.1 v1(83,83) ; 62.92,37.25 60.5,37.25 60.25,37.5 v1(60,37.5)
/U_EncB3_LP: length 11.5
  Bottom w0.3: R41.2 C50.1 68.08,38.32 72.44,38.32 U3.37 75.24,37.26 R120.1
/U_EncB4: length 78.4
  Top w0.3: v1(61.53,93.78) 62,94.25 79.25,94.25 81,92.5 82.25,92.5 82.75,93 v1(83,93)
  In1.Cu w0.3: v1(61.53,93.78) 61.53,91.88 62.25,91.16 62.25,69.18 63.75,67.68 63.75,54.29 60.5,51.04 v1(60.5,46.5)
  Bottom w0.3: v1(60.5,46.5) 61.25,47.25 R44.1 ; J21.6 D63.1 v1(83,93)
/U_EncB4_LP: length 11.4
  Bottom w0.3: R44.2 C53.1 68.08,48.33 72.59,48.33 U3.41 75.33,47.42 R123.1
/U_EncB5: length 42
  Top w0.3: v1(52,83.25) 53,82.25 58.5,82.25 v1(59,81.75) ; v1(60.75,55) 60.79,55.04
  In1.Cu w0.3: v1(59,81.75) 59.22,81.53 59.22,67.96 60,67.19 60,55.75 v1(60.75,55)
  Bottom w0.3: v1(60.75,55) 61,55.25 R80.1 ; J24.6 D69.1 v1(52,83.25)
/U_EncB5_LP: length 10.5
  Bottom w0.3: R126.1 75.46,55.04 U3.44 72.22,56.33 69.04,56.33 C56.1 R80.2
/U_EncB6: length 43.5
  Top w0.3: v1(62.25,62.75) 62.34,62.66 ; v1(60.02,90.8) 59.06,91.75 53,91.75 v1(52,92.75)
  In1.Cu w0.3: v1(62.25,62.75) 62.31,62.75 61.5,63.56 61.5,67.81 60.72,68.59 60.72,81 60.75,81.03 60.75,90.06 v1(60.02,90.8)
  Bottom w0.3: J27.6 D75.1 v1(52,92.75) ; R83.1 v1(62.25,62.75)
/U_EncB6_LP: length 10.4
  Bottom w0.3: R129.1 75.37,62.66 U3.47 72.33,63.83 69.08,63.83 C59.1 R83.2
/U_EncI0: length 171.6
  Top w0.3: v1(160.75,83.5) 158.75,85.5 129.75,85.5 127.5,87.75 127.5,88.06 127.3,88.26 v1(127.3,88.58)
  In1.Cu w0.3: v1(60.25,14.25) 63.5,17.5 63.5,27.88 70.5,34.88 70.5,70 74.75,74.25 87.71,74.25 93.25,79.79 93.25,83.21 95.54,85.5 126.67,85.5 127.5,86.33 127.5,88.39 v1(127.3,88.58)
  Bottom w0.3: v1(60.25,14.25) 62.96,16.96 R34.1 ; J17.7 D41.1 v1(160.75,83.5) ; v1(127.3,88.58) 127.14,88.42
/U_EncI0_LP: length 11.8
  Bottom w0.3: R34.2 C43.1 68.71,15.25 72.65,15.25 U3.28 75.65,14.4 R110.1
/U_EncI1: length 164.9
  Top w0.3: v1(123.03,88.47) 123.47,88.47 129.75,94.75 158.75,94.75 v1(160.5,93)
  In1.Cu w0.3: v1(123.03,88.47) 122.56,88 94.5,88 90.75,84.25 90.75,80.88 86.62,76.75 73.62,76.75 67.75,70.88 67.75,35.75 59.5,27.5 59.5,24.5 60,24 v1(60,22)
  Bottom w0.3: v1(60,22) 61.75,23.75 62.92,23.75 ; v1(160.5,93) D47.1 J18.7
/U_EncI1_LP: length 22.9
  In1.Cu w0.3: v1(68.25,13) 72,16.75 72,21.25 72.77,22.02 U3.31
  Bottom w0.3: R113.1 v1(68.25,13) ; U3.31 71.02,24.5 70.75,24.5 70.42,24.82 68.08,24.82 C46.1 R37.2
/U_EncI2: length 119.8
  Top w0.3: v1(123.5,92.75) v1(123.5,90)
  In1.Cu w0.3: v1(60.25,29.75) 61.25,30.75 61.25,35.29 67.25,41.29 67.25,71.09 73.41,77.25 86.41,77.25 90.25,81.09 90.25,84.54 94.21,88.5 122,88.5 v1(123.5,90)
  Bottom w0.3: J19.7 D53.1 v1(123.5,92.75) ; v1(60.25,29.75) 62.17,29.75 62.92,30.5
/U_EncI2_LP: length 12.2
  Bottom w0.3: R116.1 75.35,29.64 U3.34 71.56,31.57 68.08,31.57 C49.1 R40.2
/U_EncI3: length 76.7
  Top w0.3: v1(85.5,83) 83.03,85.47 64.28,85.47 v1(63.5,86.25)
  In1.Cu w0.3: v1(63.5,86.25) 63.25,86 63.25,69.62 64.75,68.12 64.75,49.46 61.75,46.46 61.75,44.25 v1(60,42.5)
  Bottom w0.3: v1(85.5,83) D59.1 J20.7 ; v1(60,42.5) 60.25,42.25 R43.1
/U_EncI3_LP: length 11.4
  Bottom w0.3: R43.2 C52.1 68.04,43.33 72.52,43.33 U3.39 75.41,42.34 R119.1
/U_EncI4: length 75.7
  Top w0.3: v1(61.25,49.25) 61.33,49.25 ; v1(62.75,93.5) 62.94,93.31 78.82,93.31 80.31,91.81 84.31,91.81 v1(85.5,93)
  In1.Cu w0.3: v1(62.75,93.5) 62.75,69.39 64.25,67.89 64.25,54.08 61.25,51.08 v1(61.25,49.25)
  Bottom w0.3: v1(85.5,93) D65.1 J21.7 ; R46.1 62.21,49.25 v1(61.25,49.25)
/U_EncI4_LP: length 11.6
  Bottom w0.3: R46.2 C55.1 68.04,51.08 72.39,51.08 U3.42 75.04,49.96 R122.1
/U_EncI5: length 37.6
  Top w0.3: v1(59.25,83) 54.75,83 v1(54.5,83.25) ; v1(61.25,57.75) 61.42,57.58
  In1.Cu w0.3: v1(61.25,57.75) 60.5,58.5 60.5,67.4 59.72,68.17 59.72,81.41 59.75,81.44 59.75,82.5 v1(59.25,83)
  Bottom w0.3: v1(54.5,83.25) D71.1 J24.7 ; R82.1 63.71,57.75 v1(61.25,57.75)
/U_EncI5_LP: length 10.6
  Bottom w0.3: R82.2 C58.1 69.04,59.08 72,59.08 U3.45 75.42,57.58 R125.1
/U_EncI6: length 40.8
  Top w0.3: v1(59.75,92.25) 55,92.25 v1(54.5,92.75) ; v1(62.5,64) 62.5,64.25
  In1.Cu w0.3: v1(59.75,92.25) 61.25,90.75 61.25,80.82 61.22,80.79 61.22,68.79 62,68.02 62,64.5 v1(62.5,64)
  Bottom w0.3: R85.1 63.75,65.25 v1(62.5,64) ; v1(54.5,92.75) D77.1 J27.7
/U_EncI6_LP: length 10.4
  Bottom w0.3: R128.1 75.45,65.2 U3.48 72.38,66.33 69.04,66.33 C61.1 R85.2
/U_PWM0: length 53.3
  Top w0.3: v1(115.75,65) 114.86,64.11 107.83,64.11 U1.CN10_27 ; R54.1 147.43,80.92 125.82,80.92 v1(125.75,81)
  Bottom w0.3: v1(125.75,81) 125.69,81 116.25,71.56 116.25,65.5 v1(115.75,65)
/U_PWM1: length 56.4
  Top w0.3: v1(114.5,67.25) 114.25,67.25 113.65,66.65 107.83,66.65 U1.CN10_29 ; v1(128.75,87.75) 131.18,90.17 147.43,90.17 R60.1
  Bottom w0.3: v1(114.5,67.25) 114.25,67.5 114.25,72.38 128.75,86.88 v1(128.75,87.75)
/U_PWM2: length 73.7
  Top w0.3: v1(104.25,28.75) 104.14,28.86 U1.CN10_2 ; R64.1 111.54,82.96 111.25,82.67 v1(111.25,82.5)
  Bottom w0.3: v1(111.25,82.5) 113.5,80.25 113.5,32.75 112.5,31.75 109.75,31.75 106.75,28.75 v1(104.25,28.75)
/U_PWM3: length 77.4
  Top w0.3: R66.1 78.04,77.5 93.5,77.5 94.1,76.91 v1(95.16,76.91)
  Bottom w0.3: v1(95.16,76.91) 94,75.75 94,73.23 95.54,71.69 96.25,71.69 100.5,67.44 100.5,33 103,30.5 105,30.5 106.68,32.18 U1.CN10_1
/U_PWM4: length 65.4
  Top w0.3: v1(105.75,80.5) 105.25,80 97.5,80 89,88.5 77.25,88.5 R72.1
  Bottom w0.3: v1(105.75,80.5) 107.79,78.45 107.79,53.67 U1.CN10_17
/U_PWM5: length 142.2
  Top w0.3: U1.CN7_21 166.25,59.03 134.22,59.03 113.75,79.5 103.25,79.5 102.25,78.5 102.25,77.25 97.19,72.19 93.73,72.19 91.42,74.5 66,74.5 61.25,79.25 44,79.25 42.55,80.7 R76.1
/U_PWM6: length 109.8
  Top w0.3: v1(94.75,74.25) 93.79,74.25 92.04,76 66.66,76 60,82.66 60,86.25 57.5,88.75 45.04,88.75 R78.1
  Bottom w0.3: U1.CN10_3 105.4,33.5 103,33.5 101,35.5 101,67.65 96.46,72.19 95.75,72.19 94.75,73.19 v1(94.75,74.25)
/UART1RX: length 144.5
  Top w0.3: J23.2 83.5,70 84.5,71 96.71,71 99.7,74 105.56,74 U1.CN10_33 110.56,69 113.81,69 116.5,66.31 116.5,56.21 145.21,27.5 151,27.5 154.75,23.75 167.75,23.75 170.68,26.68 182.12,26.68 D14.1 183.75,25.75 184.9,24.6 184.9,17.46 U2.20
/UART1TX: length 125.5
  Top w0.3: J23.3 88.25,67.5 100.5,67.5 102.5,65.5 102.5,57 103,56.5 105.54,56.5 U1.CN10_21 109.35,54.97 117.03,54.97 145,27 150.79,27 154.54,23.25 167.96,23.25 170.46,25.75 D13.1 ; D13.1 180.77,25.75 182.44,24.08 U2.4 ; D13.1 180.01,25.58
/UART3RX: length 166.6
  Top w0.3: U1.CN7_2 156.5,32.24 v1(155.51,31.25) ; 55.05,75.5 58.26,72.29 U3.1 66.81,73.75 77.5,73.75 v1(77.75,73.5) ; v1(103,82.75) 107.96,82.75 110.21,80.5 114.25,80.5 134.72,60.03 154.42,60.03 155.16,60.77 v1(155.5,60.77)
  In1.Cu w0.3: v1(103,82.75) 97.5,82.75 88.25,73.5 v1(77.75,73.5)
  Bottom w0.3: v1(103,82.75) 102.78,82.53 102.56,82.75 ; v1(155.5,60.77) 156,60.27 156,31.74 v1(155.51,31.25)
/UART3TX: length 173.7
  Top w0.3: v1(155.25,59.8) 154.98,59.53 134.43,59.53 113.96,80 110,80 108,82 v1(102.25,82) ; v1(155.75,28.5) 158.38,31.12 166.53,31.12 U1.CN7_1 ; 55.03,73.25 55.03,72.47 56.75,70.75 56.75,64.17 U3.2 59.51,63.91 59.51,65.74 67.02,73.25 76.5,73.25 v1(77.12,72.62) 77.25,72.5
  In1.Cu w0.3: v1(77.12,72.62) 88.31,72.62 97.69,82 v1(102.25,82)
  Bottom w0.3: v1(155.75,28.5) 154.76,29.49 154.76,32.55 155.5,33.29 155.5,59.55 v1(155.25,59.8)
/UART4RX: length 167.5
  Top w0.3: U1.CN7_30 163.95,68.95 154.95,68.95 154.5,68.5 v1(154.25,68.5) ; v1(147.75,22) 147.25,21.5 111,21.5 101.5,12 91.84,12 90,13.84 90,31.96 89.25,32.71 89.25,49.5 J22.2
  Bottom w0.3: v1(154.25,68.5) 154.25,64 152.75,62.5 152.75,30.21 148.25,25.71 148.25,22.5 v1(147.75,22)
/UART4TX: length 164.5
  Top w0.3: v1(153.5,67.25) 154,67.75 157.53,67.75 158.87,66.41 163.95,66.41 U1.CN7_28 ; v1(146.75,22.5) 146.25,22 110.58,22 101.08,12.5 92.04,12.5 90.5,14.04 90.5,32.25 89.75,33 89.75,49.75 86,53.5 J22.3
  Bottom w0.3: v1(153.5,67.25) 153.5,64 152.25,62.75 152.25,30.41 147.75,25.91 147.75,23.5 v1(146.75,22.5)
/UART5RX: length 115.7
  Top w0.3: U1.CN7_4 156.78,34.78 154.76,32.76 154.76,26.99 v1(155,26.75) ; v1(150.24,21.01) 149.01,21.01 148.5,20.5 111.41,20.5 101.91,11 91.42,11 89,13.42 89,29.8 83.55,35.25 J26.2
  Bottom w0.3: v1(155,26.75) 155,25.41 150.59,21.01 v1(150.24,21.01)
/UART5TX: length 117.1
  Top w0.3: v1(149,21.76) 148.24,21 111.21,21 101.71,11.5 91.63,11.5 89.5,13.63 89.5,31.75 J26.3 ; v1(154.25,25.75) 154.25,27.06 154.26,27.07 154.26,32.97 157.19,35.9 166.53,35.9 U1.CN7_3
  Bottom w0.3: v1(149,21.76) 150.64,21.76 154.25,25.37 v1(154.25,25.75)
/UART6RX: length 27.3
  Top w0.3: v1(92.25,52.25) 93.67,53.67 105.25,53.67 U1.CN10_19
  Bottom w0.3: v1(92.25,52.25) 90.5,52.25 J25.2
/UART6TX: length 23.9
  Top w0.3: U1.CN10_4 102.17,36.75 v1(92,36.75)
  Bottom w0.3: J25.3 92,39.25 v1(92,36.75)
/USB_N: length 8.4
  Top w0.3: J4.B7 179.67,7.18 v1(180.19,6.66) 180.67,7.14 J4.A7
  Bottom w0.3: 179.4,11.37 179.44,11.41 ; v1(180.19,6.66) 179.4,7.46 179.44,7.51 R21.1
/USB_P: length 5.5
  Top w0.3: J4.B6 181.17,8.93 v1(180.69,9.41) 180.17,8.89 J4.A6
  Bottom w0.3: v1(180.69,9.41) 180.69,11 R22.1
Net-(D1-A): length 15.6
  Top w0.5: D1.2 180,11.5 182.82,8.67 J4.A9 ; 175.81,11.5 178.02,9.28 J4.A4
Net-(D2-K): length 18.8
  Top w1: D2.1 175,53.5 L1.1 174.85,55.65 C8.2 174.85,64.27 U4.8
Net-(D3-K): length 18.2
  Top w1: D3.1 187.8,54 L2.1 187.55,55.25 C9.2 187.55,64.2 U5.8
Net-(D4-A): length 21.4
  Top w1.5: U4.4 182.27,54.63 L1.2 182.32,54.42 C10.1 D4.2
Net-(D5-A): length 18.6
  Top w1.5: R63.1 197,56.8 L2.2 194.32,54.12 C11.1 D5.2
Net-(D6-K): length 2
  Top w1.5: D6.1 R68.1
Net-(D7-K): length 2
  Top w1.5: D7.1 196.25,40 R69.1
Net-(D8-K): length 2
  Top w0.3: R70.1 D8.1
Net-(D9-K): length 1.9
  Top w0.3: D9.1 R71.1
Net-(D10-K): length 1.9
  Top w0.3: D10.1 R74.1
Net-(D11-K): length 2
  Top w0.3: R75.1 193.29,14.54 D11.1
Net-(D13-A): length 2
  Top w0.3: D13.2 179.99,27.81 R4.2
Net-(D14-A): length 2
  Top w0.3: D14.2 183.01,27.84 R5.2
Net-(D109-A): length 7.4
  Bottom w1.5: R6.1 D109.2
  Bottom w3: Q1.1 192.03,87.78 D109.2
Net-(D112-A): length 1.9
  Top w0.25: 51.09,75.5 53,75.5
Net-(D113-A): length 1.9
  Top w0.25: 51.04,73.25 52.97,73.25
Net-(J4-CC1): length 8.5
  Top w0.3: v1(178.69,6.41) 179.17,6.89 J4.A5
  Bottom w0.3: v1(178.69,6.41) 178.69,6.91 177.74,7.87 R14.1
Net-(J4-CC2): length 8.2
  Top w0.3: J4.B5 182.17,6.68 v1(182.19,6.66)
  Bottom w0.3: R13.1 183.49,8.46 182.19,7.16 v1(182.19,6.66)
Net-(J9-Pin_2): length 9.3
  Bottom w3: Q1.2 186.35,88.7 J9.2
Net-(U2-USBDM): length 3.7
  Top w0.3: U2.12 179.27,15.34 v1(179.44,15.16)
  Bottom w0.3: R21.2 v1(179.44,15.16)
Net-(U2-USBDP): length 5.4
  Top w0.3: v1(180.44,14.41) 179.13,14.41 178.63,14.91 U2.11
  Bottom w0.3: v1(180.44,14.41) 181.19,13.66 R22.2
Net-(U4-BOOT): length 1.8
  Top w1: C8.1 178.14,62 U4.1
Net-(U4-EN): length 6.4
  Top w0.5: R56.2 183.5,69.11 U4.5 182.32,67.88 R57.1
Net-(U5-BOOT): length 1.9
  Top w1: C9.1 190.91,62 U5.1
Net-(U5-EN): length 6.5
  Top w0.5: U5.5 197,67.88 R59.1 198,67.88 R58.2
Net-(U5-FB): length 4.1
  Top w1.5: 197,60.3 R62.1 196.94,62.32 U5.4
Net-(U6-B_REF): length 4.7
  Top w0.5: R1.2 48.25,50.39 48.25,53.6 U6.20 U6.19
Net-(U7-B_REF): length 5
  Top w0.5: C18.1 48.5,34.25 U7.19 ; C18.1 48.67,32.68 ; C18.1 48.5,30.57 R2.2
Net-(U8-B_REF): length 5.1
  Top w0.5: U8.19 U8.20 47.5,13.53 C19.1 ; 48.67,12.7 C19.1 ; C19.1 48.5,10.6 R3.2

## Copper pours and planes (outline as drawn; the poured copper is in the pictures)
+5V on In1.Cu: 201.75,100.5 201.75,-1.75 -1.25,-1.75 -1.25,100.5
+24V on Bottom: 200,75.5 171.5,75.5 171.5,109.25 200,109.25
GND on Top, Bottom, In2.Cu: 200,99 200,0 0,0 0,99

## Text on the board
B.Silkscreen: EN | GND
F.Silkscreen: GND | I | A | 5V | B | Encoder 0 | Encoder 1 | Encoder 2 | Encoder 3 | Encoder 4 | Encoder 5 | Encoder 6 | ON | OFF | USB-UART | 5V Active | 3.3V Active | UART1 | UART4 | UART6 | UART5 | USM6 | USM5 | USM4 | USM3 | USM2 | USM1 | USM0 | LED | USB | CMOD A7 FPGA | Ultrasonic Motors | STM32 F446RE | 3.3V
